# KiCad board APA102_Matrix.kicad_pcb (continued)
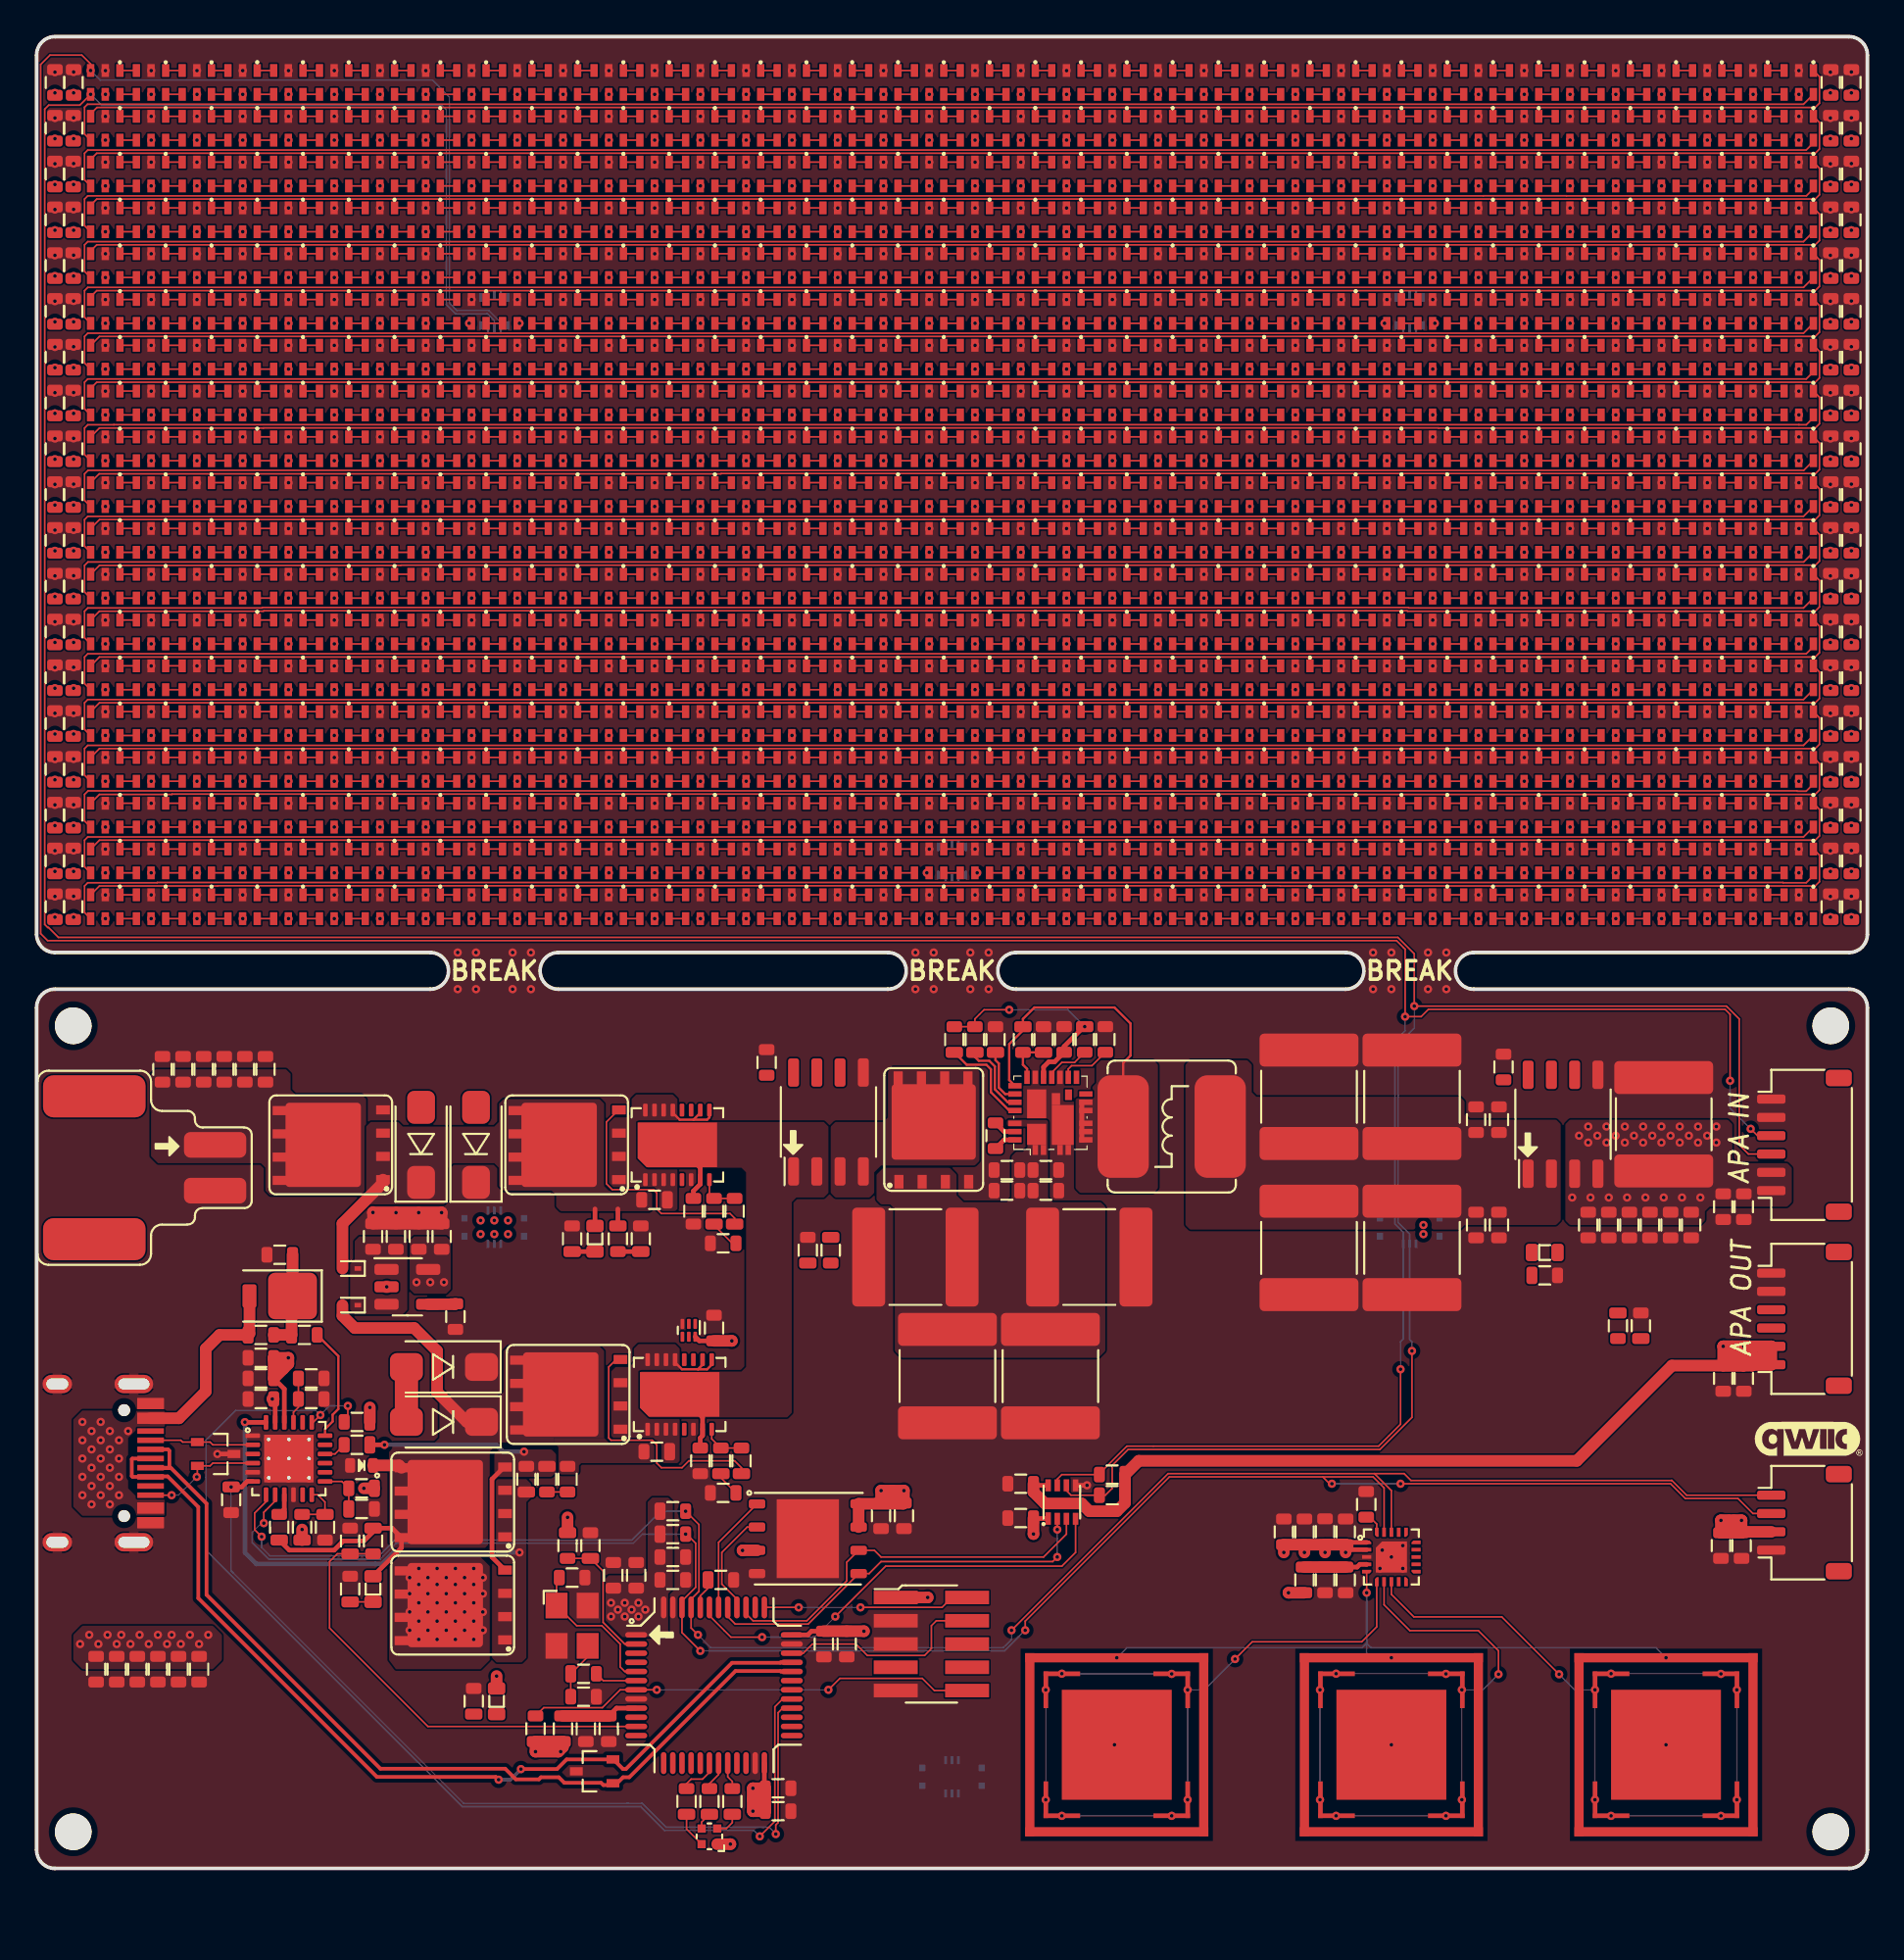
[diagram p0: board, top side]
## Nets (continued)
Net-(D524-Pad1): D524.1 D525.3
Net-(D524-Pad6): D524.6 D525.4
Net-(D525-Pad1): D525.1 D526.3
Net-(D525-Pad6): D525.6 D526.4
Net-(D526-Pad1): D526.1 D527.3
Net-(D526-Pad6): D526.6 D527.4
Net-(D527-Pad1): D527.1 D528.3
Net-(D527-Pad6): D527.6 D528.4
Net-(D528-Pad1): D528.1 D529.3
Net-(D528-Pad6): D528.6 D529.4
Net-(D529-Pad1): D529.1 D530.3
Net-(D529-Pad6): D529.6 D530.4
Net-(D530-Pad1): D530.1 D531.3
Net-(D530-Pad6): D530.6 D531.4
Net-(D531-Pad1): D531.1 D532.3
Net-(D531-Pad6): D531.6 D532.4
Net-(D533-Pad1): D533.1 D534.3
Net-(D533-Pad6): D533.6 D534.4
Net-(D534-Pad1): D534.1 D535.3
Net-(D534-Pad6): D534.6 D535.4
Net-(D535-Pad1): D535.1 D536.3
Net-(D535-Pad6): D535.6 D536.4
Net-(D536-Pad1): D536.1 D537.3
Net-(D536-Pad6): D536.6 D537.4
Net-(D537-Pad1): D537.1 D538.3
Net-(D537-Pad6): D537.6 D538.4
Net-(D538-Pad1): D538.1 D539.3
Net-(D538-Pad6): D538.6 D539.4
Net-(D539-Pad1): D539.1 D540.3
Net-(D539-Pad6): D539.6 D540.4
Net-(D540-Pad1): D540.1 D541.3
Net-(D540-Pad6): D540.6 D541.4
Net-(D541-Pad1): D541.1 D542.3
Net-(D541-Pad6): D541.6 D542.4
Net-(D542-Pad1): D542.1 D543.3
Net-(D542-Pad6): D542.6 D543.4
Net-(D543-Pad1): D543.1 D544.3
Net-(D543-Pad6): D543.6 D544.4
Net-(D544-Pad1): D544.1 D545.3
Net-(D544-Pad6): D544.6 D545.4
Net-(D545-Pad1): D545.1 D546.3
Net-(D545-Pad6): D545.6 D546.4
Net-(D546-Pad1): D546.1 D547.3
Net-(D546-Pad6): D546.6 D547.4
Net-(D547-Pad1): D547.1 D548.3
Net-(D547-Pad6): D547.6 D548.4
Net-(D548-Pad1): D548.1 D549.3
Net-(D548-Pad6): D548.6 D549.4
Net-(D549-Pad1): D549.1 D550.3
Net-(D549-Pad6): D549.6 D550.4
Net-(D550-Pad1): D550.1 D551.3
Net-(D550-Pad6): D550.6 D551.4
Net-(D551-Pad1): D551.1 D552.3
Net-(D551-Pad6): D551.6 D552.4
Net-(D552-Pad1): D552.1 D553.3
Net-(D552-Pad6): D552.6 D553.4
Net-(D553-Pad1): D553.1 D554.3
Net-(D553-Pad6): D553.6 D554.4
Net-(D554-Pad1): D554.1 D555.3
Net-(D554-Pad6): D554.6 D555.4
Net-(D555-Pad1): D555.1 D556.3
Net-(D555-Pad6): D555.6 D556.4
Net-(D556-Pad1): D556.1 D557.3
Net-(D556-Pad6): D556.6 D557.4
Net-(D557-Pad1): D557.1 D558.3
Net-(D557-Pad6): D557.6 D558.4
Net-(D558-Pad1): D558.1 D559.3
Net-(D558-Pad6): D558.6 D559.4
Net-(D559-Pad1): D559.1 D560.3
Net-(D559-Pad6): D559.6 D560.4
Net-(D560-Pad1): D560.1 D561.3
Net-(D560-Pad6): D560.6 D561.4
Net-(D561-Pad1): D561.1 D562.3
Net-(D561-Pad6): D561.6 D562.4
Net-(D562-Pad1): D562.1 D563.3
Net-(D562-Pad6): D562.6 D563.4
Net-(D563-Pad1): D563.1 D564.3
Net-(D563-Pad6): D563.6 D564.4
Net-(D564-Pad1): D564.1 D565.3
Net-(D564-Pad6): D564.6 D565.4
Net-(D565-Pad1): D565.1 D566.3
Net-(D565-Pad6): D565.6 D566.4
Net-(D566-Pad1): D566.1 D567.3
Net-(D566-Pad6): D566.6 D567.4
Net-(D567-Pad1): D567.1 D568.3
Net-(D567-Pad6): D567.6 D568.4
Net-(D568-Pad1): D568.1 D569.3
Net-(D568-Pad6): D568.6 D569.4
Net-(D569-Pad1): D569.1 D570.3
Net-(D569-Pad6): D569.6 D570.4
Net-(D571-Pad1): D571.1 D572.3
Net-(D571-Pad6): D571.6 D572.4
Net-(D572-Pad1): D572.1 D573.3
Net-(D572-Pad6): D572.6 D573.4
Net-(D573-Pad1): D573.1 D574.3
Net-(D573-Pad6): D573.6 D574.4
Net-(D574-Pad1): D574.1 D575.3
Net-(D574-Pad6): D574.6 D575.4
Net-(D575-Pad1): D575.1 D576.3
Net-(D575-Pad6): D575.6 D576.4
Net-(D576-Pad1): D576.1 D577.3
Net-(D576-Pad6): D576.6 D577.4
Net-(D577-Pad1): D577.1 D578.3
Net-(D577-Pad6): D577.6 D578.4
Net-(D578-Pad1): D578.1 D579.3
Net-(D578-Pad6): D578.6 D579.4
Net-(D579-Pad1): D579.1 D580.3
Net-(D579-Pad6): D579.6 D580.4
Net-(D580-Pad1): D580.1 D581.3
Net-(D580-Pad6): D580.6 D581.4
Net-(D581-Pad1): D581.1 D582.3
Net-(D581-Pad6): D581.6 D582.4
Net-(D582-Pad1): D582.1 D583.3
Net-(D582-Pad6): D582.6 D583.4
Net-(D583-Pad1): D583.1 D584.3
Net-(D583-Pad6): D583.6 D584.4
Net-(D584-Pad1): D584.1 D585.3
Net-(D584-Pad6): D584.6 D585.4
Net-(D585-Pad1): D585.1 D586.3
Net-(D585-Pad6): D585.6 D586.4
Net-(D586-Pad1): D586.1 D587.3
Net-(D586-Pad6): D586.6 D587.4
Net-(D587-Pad1): D587.1 D588.3
Net-(D587-Pad6): D587.6 D588.4
Net-(D588-Pad1): D588.1 D589.3
Net-(D588-Pad6): D588.6 D589.4
Net-(D589-Pad1): D589.1 D590.3
Net-(D589-Pad6): D589.6 D590.4
Net-(D590-Pad1): D590.1 D591.3
Net-(D590-Pad6): D590.6 D591.4
Net-(D591-Pad1): D591.1 D592.3
Net-(D591-Pad6): D591.6 D592.4
Net-(D592-Pad1): D592.1 D593.3
Net-(D592-Pad6): D592.6 D593.4
Net-(D593-Pad1): D593.1 D594.3
Net-(D593-Pad6): D593.6 D594.4
Net-(D594-Pad1): D594.1 D595.3
Net-(D594-Pad6): D594.6 D595.4
Net-(D595-Pad1): D595.1 D596.3
Net-(D595-Pad6): D595.6 D596.4
Net-(D596-Pad1): D596.1 D597.3
Net-(D596-Pad6): D596.6 D597.4
Net-(D597-Pad1): D597.1 D598.3
Net-(D597-Pad6): D597.6 D598.4
Net-(D598-Pad1): D598.1 D599.3
Net-(D598-Pad6): D598.6 D599.4
Net-(D599-Pad1): D599.1 D600.3
Net-(D599-Pad6): D599.6 D600.4
Net-(D600-Pad1): D600.1 D601.3
Net-(D600-Pad6): D600.6 D601.4
Net-(D601-Pad1): D601.1 D602.3
Net-(D601-Pad6): D601.6 D602.4
Net-(D602-Pad1): D602.1 D603.3
Net-(D602-Pad6): D602.6 D603.4
Net-(D603-Pad1): D603.1 D604.3
Net-(D603-Pad6): D603.6 D604.4
Net-(D604-Pad1): D604.1 D605.3
Net-(D604-Pad6): D604.6 D605.4
Net-(D605-Pad1): D605.1 D606.3
Net-(D605-Pad6): D605.6 D606.4
Net-(D606-Pad1): D606.1 D607.3
Net-(D606-Pad6): D606.6 D607.4
Net-(D607-Pad1): D607.1 D608.3
Net-(D607-Pad6): D607.6 D608.4
Net-(D609-Pad1): D609.1 D610.3
Net-(D609-Pad6): D609.6 D610.4
Net-(D610-Pad1): D610.1 D611.3
Net-(D610-Pad6): D610.6 D611.4
Net-(D611-Pad1): D611.1 D612.3
Net-(D611-Pad6): D611.6 D612.4
Net-(D612-Pad1): D612.1 D613.3
Net-(D612-Pad6): D612.6 D613.4
Net-(D613-Pad1): D613.1 D614.3
Net-(D613-Pad6): D613.6 D614.4
Net-(D614-Pad1): D614.1 D615.3
Net-(D614-Pad6): D614.6 D615.4
Net-(D615-Pad1): D615.1 D616.3
Net-(D615-Pad6): D615.6 D616.4
Net-(D616-Pad1): D616.1 D617.3
Net-(D616-Pad6): D616.6 D617.4
Net-(D617-Pad1): D617.1 D618.3
Net-(D617-Pad6): D617.6 D618.4
Net-(D618-Pad1): D618.1 D619.3
Net-(D618-Pad6): D618.6 D619.4
Net-(D619-Pad1): D619.1 D620.3
Net-(D619-Pad6): D619.6 D620.4
Net-(D620-Pad1): D620.1 D621.3
Net-(D620-Pad6): D620.6 D621.4
Net-(D621-Pad1): D621.1 D622.3
Net-(D621-Pad6): D621.6 D622.4
Net-(D622-Pad1): D622.1 D623.3
Net-(D622-Pad6): D622.6 D623.4
Net-(D623-Pad1): D623.1 D624.3
Net-(D623-Pad6): D623.6 D624.4
Net-(D624-Pad1): D624.1 D625.3
Net-(D624-Pad6): D624.6 D625.4
Net-(D625-Pad1): D625.1 D626.3
Net-(D625-Pad6): D625.6 D626.4
Net-(D626-Pad1): D626.1 D627.3
Net-(D626-Pad6): D626.6 D627.4
Net-(D627-Pad1): D627.1 D628.3
Net-(D627-Pad6): D627.6 D628.4
Net-(D628-Pad1): D628.1 D629.3
Net-(D628-Pad6): D628.6 D629.4
Net-(D629-Pad1): D629.1 D630.3
Net-(D629-Pad6): D629.6 D630.4
Net-(D630-Pad1): D630.1 D631.3
Net-(D630-Pad6): D630.6 D631.4
Net-(D631-Pad1): D631.1 D632.3
Net-(D631-Pad6): D631.6 D632.4
Net-(D632-Pad1): D632.1 D633.3
Net-(D632-Pad6): D632.6 D633.4
Net-(D633-Pad1): D633.1 D634.3
Net-(D633-Pad6): D633.6 D634.4
Net-(D634-Pad1): D634.1 D635.3
Net-(D634-Pad6): D634.6 D635.4
Net-(D635-Pad1): D635.1 D636.3
Net-(D635-Pad6): D635.6 D636.4
Net-(D636-Pad1): D636.1 D637.3
Net-(D636-Pad6): D636.6 D637.4
Net-(D637-Pad1): D637.1 D638.3
Net-(D637-Pad6): D637.6 D638.4
Net-(D638-Pad1): D638.1 D639.3
Net-(D638-Pad6): D638.6 D639.4
Net-(D639-Pad1): D639.1 D640.3
Net-(D639-Pad6): D639.6 D640.4
Net-(D640-Pad1): D640.1 D641.3
Net-(D640-Pad6): D640.6 D641.4
Net-(D641-Pad1): D641.1 D642.3
Net-(D641-Pad6): D641.6 D642.4
Net-(D642-Pad1): D642.1 D643.3
Net-(D642-Pad6): D642.6 D643.4
Net-(D643-Pad1): D643.1 D644.3
Net-(D643-Pad6): D643.6 D644.4
Net-(D644-Pad1): D644.1 D645.3
Net-(D644-Pad6): D644.6 D645.4
Net-(D645-Pad1): D645.1 D646.3
Net-(D645-Pad6): D645.6 D646.4
Net-(D647-Pad1): D647.1 D648.3
Net-(D647-Pad6): D647.6 D648.4
Net-(D648-Pad1): D648.1 D649.3
Net-(D648-Pad6): D648.6 D649.4
Net-(D649-Pad1): D649.1 D650.3
Net-(D649-Pad6): D649.6 D650.4
Net-(D650-Pad1): D650.1 D651.3
Net-(D650-Pad6): D650.6 D651.4
Net-(D651-Pad1): D651.1 D652.3
Net-(D651-Pad6): D651.6 D652.4
Net-(D652-Pad1): D652.1 D653.3
Net-(D652-Pad6): D652.6 D653.4
Net-(D653-Pad1): D653.1 D654.3
Net-(D653-Pad6): D653.6 D654.4
Net-(D654-Pad1): D654.1 D655.3
Net-(D654-Pad6): D654.6 D655.4
Net-(D655-Pad1): D655.1 D656.3
Net-(D655-Pad6): D655.6 D656.4
Net-(D656-Pad1): D656.1 D657.3
Net-(D656-Pad6): D656.6 D657.4
Net-(D657-Pad1): D657.1 D658.3
Net-(D657-Pad6): D657.6 D658.4
Net-(D658-Pad1): D658.1 D659.3
Net-(D658-Pad6): D658.6 D659.4
Net-(D659-Pad1): D659.1 D660.3
Net-(D659-Pad6): D659.6 D660.4
Net-(D660-Pad1): D660.1 D661.3
Net-(D660-Pad6): D660.6 D661.4
Net-(D661-Pad1): D661.1 D662.3
Net-(D661-Pad6): D661.6 D662.4
Net-(D662-Pad1): D662.1 D663.3
Net-(D662-Pad6): D662.6 D663.4
Net-(D663-Pad1): D663.1 D664.3
Net-(D663-Pad6): D663.6 D664.4
Net-(D664-Pad1): D664.1 D665.3
Net-(D664-Pad6): D664.6 D665.4
Net-(D665-Pad1): D665.1 D666.3
Net-(D665-Pad6): D665.6 D666.4
Net-(D666-Pad1): D666.1 D667.3
Net-(D666-Pad6): D666.6 D667.4
Net-(D667-Pad1): D667.1 D668.3
Net-(D667-Pad6): D667.6 D668.4
Net-(D668-Pad1): D668.1 D669.3
Net-(D668-Pad6): D668.6 D669.4
Net-(D669-Pad1): D669.1 D670.3
Net-(D669-Pad6): D669.6 D670.4
Net-(D670-Pad1): D670.1 D671.3
Net-(D670-Pad6): D670.6 D671.4
Net-(D671-Pad1): D671.1 D672.3
Net-(D671-Pad6): D671.6 D672.4
Net-(D672-Pad1): D672.1 D673.3
Net-(D672-Pad6): D672.6 D673.4
Net-(D673-Pad1): D673.1 D674.3
Net-(D673-Pad6): D673.6 D674.4
Net-(D674-Pad1): D674.1 D675.3
Net-(D674-Pad6): D674.6 D675.4
Net-(D675-Pad1): D675.1 D676.3
Net-(D675-Pad6): D675.6 D676.4
Net-(D676-Pad1): D676.1 D677.3
Net-(D676-Pad6): D676.6 D677.4
Net-(D677-Pad1): D677.1 D678.3
Net-(D677-Pad6): D677.6 D678.4
Net-(D678-Pad1): D678.1 D679.3
Net-(D678-Pad6): D678.6 D679.4
Net-(D679-Pad1): D679.1 D680.3
Net-(D679-Pad6): D679.6 D680.4
Net-(D680-Pad1): D680.1 D681.3
Net-(D680-Pad6): D680.6 D681.4
Net-(D681-Pad1): D681.1 D682.3
Net-(D681-Pad6): D681.6 D682.4
Net-(D682-Pad1): D682.1 D683.3
Net-(D682-Pad6): D682.6 D683.4
Net-(D683-Pad1): D683.1 D684.3
Net-(D683-Pad6): D683.6 D684.4
Net-(D685-Pad1): D685.1 D686.3
Net-(D685-Pad6): D685.6 D686.4
Net-(D686-Pad1): D686.1 D687.3
Net-(D686-Pad6): D686.6 D687.4
Net-(D687-Pad1): D687.1 D688.3
Net-(D687-Pad6): D687.6 D688.4
Net-(D688-Pad1): D688.1 D689.3
Net-(D688-Pad6): D688.6 D689.4
Net-(D689-Pad1): D689.1 D690.3
Net-(D689-Pad6): D689.6 D690.4
Net-(D690-Pad1): D690.1 D691.3
Net-(D690-Pad6): D690.6 D691.4
Net-(D691-Pad1): D691.1 D692.3
Net-(D691-Pad6): D691.6 D692.4
Net-(D692-Pad1): D692.1 D693.3
Net-(D692-Pad6): D692.6 D693.4
Net-(D693-Pad1): D693.1 D694.3
Net-(D693-Pad6): D693.6 D694.4
Net-(D694-Pad1): D694.1 D695.3
Net-(D694-Pad6): D694.6 D695.4
Net-(D695-Pad1): D695.1 D696.3
Net-(D695-Pad6): D695.6 D696.4
Net-(D696-Pad1): D696.1 D697.3
Net-(D696-Pad6): D696.6 D697.4
Net-(D697-Pad1): D697.1 D698.3
Net-(D697-Pad6): D697.6 D698.4
Net-(D698-Pad1): D698.1 D699.3
Net-(D698-Pad6): D698.6 D699.4
Net-(D699-Pad1): D699.1 D700.3
Net-(D699-Pad6): D699.6 D700.4
Net-(D700-Pad1): D700.1 D701.3
Net-(D700-Pad6): D700.6 D701.4
Net-(D701-Pad1): D701.1 D702.3
Net-(D701-Pad6): D701.6 D702.4
Net-(D702-Pad1): D702.1 D703.3
Net-(D702-Pad6): D702.6 D703.4
Net-(D703-Pad1): D703.1 D704.3
Net-(D703-Pad6): D703.6 D704.4
Net-(D704-Pad1): D704.1 D705.3
Net-(D704-Pad6): D704.6 D705.4
Net-(D705-Pad1): D705.1 D706.3
Net-(D705-Pad6): D705.6 D706.4
Net-(D706-Pad1): D706.1 D707.3
Net-(D706-Pad6): D706.6 D707.4
Net-(D707-Pad1): D707.1 D708.3
Net-(D707-Pad6): D707.6 D708.4
Net-(D708-Pad1): D708.1 D709.3
Net-(D708-Pad6): D708.6 D709.4
Net-(D709-Pad1): D709.1 D710.3
Net-(D709-Pad6): D709.6 D710.4
Net-(D710-Pad1): D710.1 D711.3
Net-(D710-Pad6): D710.6 D711.4
Net-(D711-Pad1): D711.1 D712.3
Net-(D711-Pad6): D711.6 D712.4
Net-(D712-Pad1): D712.1 D713.3
Net-(D712-Pad6): D712.6 D713.4
Net-(D713-Pad1): D713.1 D714.3
Net-(D713-Pad6): D713.6 D714.4
Net-(D714-Pad1): D714.1 D715.3
Net-(D714-Pad6): D714.6 D715.4
Net-(D715-Pad1): D715.1 D716.3
Net-(D715-Pad6): D715.6 D716.4
Net-(D716-Pad1): D716.1 D717.3
Net-(D716-Pad6): D716.6 D717.4
Net-(D717-Pad1): D717.1 D718.3
Net-(D717-Pad6): D717.6 D718.4
Net-(D718-Pad1): D718.1 D719.3
Net-(D718-Pad6): D718.6 D719.4
Net-(D719-Pad1): D719.1 D720.3
Net-(D719-Pad6): D719.6 D720.4
Net-(D720-Pad1): D720.1 D721.3
Net-(D720-Pad6): D720.6 D721.4
Net-(D721-Pad1): D721.1 D722.3
Net-(D721-Pad6): D721.6 D722.4
Net-(D723-Pad1): D723.1 R7.1
Net-(D724-Pad1): D724.1 R9.1
Net-(D725-Pad1): D725.1 R10.1
Net-(D728-Pad1): D728.1 R15.1
Net-(D729-Pad2): D729.2 R16.1
Net-(D729-Pad3): D729.3 R17.1
Net-(D729-Pad4): D729.4 R18.1
Net-(D734-Pad2): D734.2 D735.2
Net-(D736-Pad2): D736.2 D737.2
Net-(Q3-Pad4): Q3.4 Q4.4 R34.2 R36.1 R37.1
Net-(Q5-Pad1): Q5.1 Q5.2 Q5.3 R6.1 U11.1 U11.2 U11.3 U11.4 U11.9 U11.10 U11.13 U11.14 U11.15 U11.16
Net-(Q5-Pad4): Q5.4 R45.1
Net-(Q6-Pad1): Q6.1 Q6.2 Q6.3 R44.1 U12.1 U12.2 U12.3 U12.4 U12.9 U12.10 U12.13 U12.14 U12.15 U12.16
Net-(Q6-Pad4): Q6.4 R47.1
Net-(R16-Pad2): R16.2 U7.18
Net-(R17-Pad2): R17.2 U7.19
Net-(R18-Pad2): R18.2 U7.20
Net-(R24-Pad2): R24.2 U7.6
Net-(R28-Pad2): R28.2 R29.1 U8.17
Net-(R30-Pad1): R30.1 U8.20
Net-(R31-Pad1): R31.1 U8.21
Net-(R35-Pad2): R35.2 U10.18
Net-(R40-Pad2): R40.2 R41.1 U10.12
Net-(R42-Pad2): R42.2 R43.1 U10.13
Net-(R45-Pad2): R45.2 R46.2 U11.8
Net-(R47-Pad2): R47.2 R48.2 U12.8
Net-(U11-Pad12): U2.4 U11.12

Pads without a net: CN1 X; CN2 X; CN3 X; CN10 X; J1 6 7 8; P1 A8 B8; U1 6; U2 1 5; U3 6; U7 3 4 16 17 38; U8 10 11 28; U9 9 10 11 12 13 14 15 16; U10 3 11 14 15 17 20; U11 5 11; U12 5 11

## Via types
v1: diameter 0.45, hole 0.2, F_PWR_SIGNAL.Cu to B_GND_SIGNAL.Cu, 1868 vias

## Routing (per net, layer and track width the routed paths; a pad name or vN(x,y) marks a point on that pad's centre or on a via; arc(x,y) is an arc through that point)
+3V3: length 58.2
  F_PWR_SIGNAL.Cu w0.254: U9.1 71.62,17.8 C126.1 71.78,17.4 U9.2 ; U7.24 39.75,4.42 C97.1 ; C87.2 54.47,19.1 U5.1 ; U2.6 36.2,28.8 C137.1 ; C99.1 42.33,12.95 42.12,12.75 U7.36 ; C134.1 13.53,26.17 U10.22
  F_PWR_SIGNAL.Cu w0.635: v1(37.98,28.8) 37.97,28.8 C137.1 ; v1(54.45,18.25) 54.45,18.26 C87.2 ; v1(70.38,17.25) C125.1 71.49,17.69 C126.1 ; C89.2 93.17,18.38 CN3.2 ; C89.2 v1(93.12,19) ; C89.2 92.45,19 v1(92,19) ; C89.2 C154.1 ; v1(48.67,14.79) 48.67,14.79 J1.1 ; C99.1 C98.1 45.19,12.95 v1(45.19,12.95) ; C123.1 v1(69.25,17.25) ; 13.48,27.28 C134.1 C131.1 ; 13.48,27.28 12.95,27.8 C131.1 ; 13.48,27.28 13.75,27.55 v1(13.75,27.88) C131.1 ; FB2.2 68.38,15.05 v1(68.38,15.05) ; v1(39.12,3.12) 39.12,3.7 C97.1 ; v1(39.12,3.12) v1(39.12,4.38) ; v1(39.12,3.12) C96.1 ; C126.1 C124.1 v1(68.12,17.25) ; C126.1 v1(71.5,17.25) ; 29,19.16 29,18.38 ; C90.1 47.33,19.91 U6.8 U6.7 ; C90.1 v1(47.38,20.62) 46.8,20.62 C91.1 v1(46.12,20.62) 46.7,20.62 C90.1 ; v1(39.12,4.38) C97.1 ; v1(39.12,4.38) 39.12,3.8 C96.1 ; C97.1 C96.1 ; C154.1 92.67,19 v1(93.12,19) ; C154.1 v1(92,19) ; v1(92,19) v1(93.12,19) ; v1(37.89,1.33) 37.89,1.33 D729.1 ; D725.2 v1(25.12,10.5) ; v1(38.56,17.36) 38.56,17.36 U6.3 ; 18.2,25.16 R38.1 ; 28.75,6.63 FB1.2 R23.1 v1(27.25,6.38) 28.5,6.38 28.75,6.63
  vias: v1(18.2,25.17) v1(20.75,32) v1(21.5,32) v1(22.25,32) v1(28.62,6.38) v1(29,19.17) v1(31.38,14.5) v1(31.38,13.75) v1(31.75,14.12) v1(32.12,14.5) v1(32.12,13.75) v1(32.5,14.12) v1(32.88,14.5) v1(32.88,13.75) v1(33.25,14.12)
+5V: length 61.5
  F_PWR_SIGNAL.Cu w0.089: v1(3.76,96.85) D1.5
  F_PWR_SIGNAL.Cu w0.254: U5.8 54.54,20.91 C88.2
  F_PWR_SIGNAL.Cu w0.635: C88.2 54.45,20.55 55.08,19.92 57.08,19.92 57.5,19.5 59,19.5 59.45,19.95 R12.1 R13.1 60.2,22.25 84.12,22.25 89.33,27.45 C85.1 ; C85.1 93.2,27.45 93.75,28 ; C85.1 93.7,27.45 CN2.2 ; C85.1 v1(92.12,28.5) ; CN2.1 93.3,27.5 C84.1 ; CN2.1 CN2.2 ; CN2.1 93.12,27.5 v1(92.12,28.5) ; CN2.2 93.5,28.5 ; v1(92.12,28.5) 92.62,28.5 ; v1(92.12,28.5) 93.5,28.5 ; 93.5,28.5 v1(93.25,28.5) ; v1(93.25,28.5) 92.62,28.5 ; v1(93.25,28.5) C84.1 ; 92.62,28.5 93.25,27.88 C84.1
  vias: v1(1,96.93) v1(1,94.43) v1(1,91.93) v1(1,89.43) v1(1,86.93) v1(1,84.43) v1(1,81.93) v1(1,79.43) v1(1,76.93) v1(1,74.43) v1(1,71.93) v1(1,69.43) v1(1,66.93) v1(1,64.43) v1(1,61.93) v1(1,59.43) v1(1,56.93) v1(1,54.43) v1(1,51.93) v1(2.02,96.93) v1(2.02,94.43) v1(2.02,91.93) v1(2.02,89.43) v1(2.02,86.93) v1(2.02,84.43) v1(2.02,81.93) v1(2.02,79.43) v1(2.02,76.93) v1(2.02,74.43) v1(2.02,71.93) v1(2.02,69.43) v1(2.02,66.93) v1(2.02,64.43) v1(2.02,61.93) v1(2.02,59.43) v1(2.02,56.93) v1(2.02,54.43) v1(2.02,51.93) v1(3.76,94.35) v1(3.76,91.85) v1(3.76,89.35) v1(3.76,86.85) v1(3.76,84.35) v1(3.76,81.85) v1(3.76,79.35) v1(3.76,76.85) v1(3.76,74.35) v1(3.76,71.85) v1(3.76,69.35) v1(3.76,66.85) v1(3.76,64.35) v1(3.76,61.85) v1(3.76,59.35) v1(3.76,56.85) v1(3.76,54.35) v1(3.76,51.85) v1(6.26,96.85) v1(6.26,94.35) v1(6.26,91.85) v1(6.26,89.35) v1(6.26,86.85) v1(6.26,84.35) v1(6.26,81.85) v1(6.26,79.35) v1(6.26,76.85) v1(6.26,74.35) v1(6.26,71.85) v1(6.26,69.35) v1(6.26,66.85) v1(6.26,64.35) v1(6.26,61.85) v1(6.26,59.35) v1(6.26,56.85) v1(6.26,54.35) v1(6.26,51.85) v1(8.76,96.85) v1(8.76,94.35) v1(8.76,91.85) v1(8.76,89.35) v1(8.76,86.85) v1(8.76,84.35) v1(8.76,81.85) v1(8.76,79.35) v1(8.76,76.85) v1(8.76,74.35) v1(8.76,71.85) v1(8.76,69.35) v1(8.76,66.85) v1(8.76,64.35) v1(8.76,61.85) v1(8.76,59.35) v1(8.76,56.85) v1(8.76,54.35) v1(8.76,51.85) v1(11.26,96.85) v1(11.26,94.35) v1(11.26,91.85) v1(11.26,89.35) v1(11.26,86.85) v1(11.26,84.35) v1(11.26,81.85) v1(11.26,79.35) v1(11.26,76.85) v1(11.26,74.35) v1(11.26,71.85) v1(11.26,69.35) v1(11.26,66.85) v1(11.26,64.35) v1(11.26,61.85) v1(11.26,59.35) v1(11.26,56.85) v1(11.26,54.35) v1(11.26,51.85) v1(13.76,96.85) v1(13.76,94.35) v1(13.76,91.85) v1(13.76,89.35) v1(13.76,86.85) v1(13.76,84.35) v1(13.76,81.85) v1(13.76,79.35) v1(13.76,76.85) v1(13.76,74.35) v1(13.76,71.85) v1(13.76,69.35) v1(13.76,66.85) v1(13.76,64.35) v1(13.76,61.85) v1(13.76,59.35) v1(13.76,56.85) v1(13.76,54.35) v1(13.76,51.85) v1(16.26,96.85) v1(16.26,94.35) v1(16.26,91.85) v1(16.26,89.35) v1(16.26,86.85) v1(16.26,84.35) v1(16.26,81.85) v1(16.26,79.35) v1(16.26,76.85) v1(16.26,74.35) v1(16.26,71.85) v1(16.26,69.35) v1(16.26,66.85) v1(16.26,64.35) v1(16.26,61.85) v1(16.26,59.35) v1(16.26,56.85) v1(16.26,54.35) v1(16.26,51.85) v1(18.76,96.85) v1(18.76,94.35) v1(18.76,91.85) v1(18.76,89.35) v1(18.76,86.85) v1(18.76,84.35) v1(18.76,81.85) v1(18.76,79.35) v1(18.76,76.85) v1(18.76,74.35) v1(18.76,71.85) v1(18.76,69.35) v1(18.76,66.85) v1(18.76,64.35) v1(18.76,61.85) v1(18.76,59.35) v1(18.76,56.85) v1(18.76,54.35) v1(18.76,51.85) v1(21.26,96.85) v1(21.26,94.35) v1(21.26,91.85) v1(21.26,89.35) v1(21.26,86.85) v1(21.26,84.35) v1(21.26,81.85) v1(21.26,79.35) v1(21.26,76.85) v1(21.26,74.35) v1(21.26,71.85) v1(21.26,69.35) v1(21.26,66.85) v1(21.26,64.35) v1(21.26,61.85) v1(21.26,59.35) v1(21.26,56.85) v1(21.26,54.35) v1(21.26,51.85) v1(23.62,84.35) v1(23.76,96.85) v1(23.76,94.35) v1(23.76,91.85) v1(23.76,89.35) v1(23.76,86.85) v1(23.76,81.85) v1(23.76,79.35) v1(23.76,76.85) v1(23.76,74.35) v1(23.76,71.85) v1(23.76,69.35) v1(23.76,66.85) v1(23.76,64.35) v1(23.76,61.85) v1(23.76,59.35) v1(23.76,56.85) v1(23.76,54.35) v1(23.76,51.85) v1(24.25,35.38) v1(24.25,34.62) v1(25,35.38) v1(25,34.62) v1(25.75,35.38) v1(25.75,34.62) v1(26.26,96.85) v1(26.26,94.35) v1(26.26,91.85) v1(26.26,89.35) v1(26.26,86.85) v1(26.26,81.85) v1(26.26,79.35) v1(26.26,76.85) v1(26.26,74.35) v1(26.26,71.85) v1(26.26,69.35) v1(26.26,66.85) v1(26.26,64.35) v1(26.26,61.85) v1(26.26,59.35) v1(26.26,56.85) v1(26.26,54.35) v1(26.26,51.85) v1(26.38,84.35) v1(28.76,96.85) v1(28.76,94.35) v1(28.76,91.85) v1(28.76,89.35) v1(28.76,86.85) v1(28.76,84.35) v1(28.76,81.85) v1(28.76,79.35) v1(28.76,76.85) v1(28.76,74.35) v1(28.76,71.85) v1(28.76,69.35) v1(28.76,66.85) v1(28.76,64.35) v1(28.76,61.85) v1(28.76,59.35) v1(28.76,56.85) v1(28.76,54.35) v1(28.76,51.85) v1(31.26,96.85) v1(31.26,94.35) v1(31.26,91.85) v1(31.26,89.35) v1(31.26,86.85) v1(31.26,84.35) v1(31.26,81.85) v1(31.26,79.35) v1(31.26,76.85) v1(31.26,74.35) v1(31.26,71.85) v1(31.26,69.35) v1(31.26,66.85) v1(31.26,64.35) v1(31.26,61.85) v1(31.26,59.35) v1(31.26,56.85) v1(31.26,54.35) v1(31.26,51.85) v1(33.76,96.85) v1(33.76,94.35) v1(33.76,91.85) v1(33.76,89.35) v1(33.76,86.85) v1(33.76,84.35) v1(33.76,81.85) v1(33.76,79.35) v1(33.76,76.85) v1(33.76,74.35) v1(33.76,71.85) v1(33.76,69.35) v1(33.76,66.85) v1(33.76,64.35) v1(33.76,61.85) v1(33.76,59.35) v1(33.76,56.85) v1(33.76,54.35) v1(33.76,51.85) v1(36.26,96.85) v1(36.26,94.35) v1(36.26,91.85) v1(36.26,89.35) v1(36.26,86.85) v1(36.26,84.35) v1(36.26,81.85) v1(36.26,79.35) v1(36.26,76.85) v1(36.26,74.35) v1(36.26,71.85) v1(36.26,69.35) v1(36.26,66.85) v1(36.26,64.35) v1(36.26,61.85) v1(36.26,59.35) v1(36.26,56.85) v1(36.26,54.35) v1(36.26,51.85) v1(38.76,96.85) v1(38.76,94.35) v1(38.76,91.85) v1(38.76,89.35) v1(38.76,86.85) v1(38.76,84.35) v1(38.76,81.85) v1(38.76,79.35) v1(38.76,76.85) v1(38.76,74.35) v1(38.76,71.85) v1(38.76,69.35) v1(38.76,66.85) v1(38.76,64.35) v1(38.76,61.85) v1(38.76,59.35) v1(38.76,56.85) v1(38.76,54.35) v1(38.76,51.85) v1(41.26,96.85) v1(41.26,94.35) v1(41.26,91.85) v1(41.26,89.35) v1(41.26,86.85) v1(41.26,84.35) v1(41.26,81.85) v1(41.26,79.35) v1(41.26,76.85) v1(41.26,74.35) v1(41.26,71.85) v1(41.26,69.35) v1(41.26,66.85) v1(41.26,64.35) v1(41.26,61.85) v1(41.26,59.35) v1(41.26,56.85) v1(41.26,54.35) v1(41.26,51.85) v1(43.76,96.85) v1(43.76,94.35) v1(43.76,91.85) v1(43.76,89.35) v1(43.76,86.85) v1(43.76,84.35) v1(43.76,81.85) v1(43.76,79.35) v1(43.76,76.85) v1(43.76,74.35) v1(43.76,71.85) v1(43.76,69.35) v1(43.76,66.85) v1(43.76,64.35) v1(43.76,61.85) v1(43.76,59.35) v1(43.76,56.85) v1(43.76,54.35) v1(43.76,51.85) v1(46.26,96.85) v1(46.26,94.35) v1(46.26,91.85) v1(46.26,89.35) v1(46.26,86.85) v1(46.26,84.35) v1(46.26,81.85) v1(46.26,79.35) v1(46.26,76.85) v1(46.26,74.35) v1(46.26,71.85) v1(46.26,69.35) v1(46.26,66.85) v1(46.26,64.35) v1(46.26,61.85) v1(46.26,59.35) v1(46.26,56.85) v1(46.26,54.35) v1(46.26,51.85) v1(48.62,54.35) v1(48.76,96.85) v1(48.76,94.35) v1(48.76,91.85) v1(48.76,89.35) v1(48.76,86.85) v1(48.76,84.35) v1(48.76,81.85) v1(48.76,79.35) v1(48.76,76.85) v1(48.76,74.35) v1(48.76,71.85) v1(48.76,69.35) v1(48.76,66.85) v1(48.76,64.35) v1(48.76,61.85) v1(48.76,59.35) v1(48.76,56.85) v1(48.76,51.85) v1(51.26,96.85) v1(51.26,94.35) v1(51.26,91.85) v1(51.26,89.35) v1(51.26,86.85) v1(51.26,84.35) v1(51.26,81.85) v1(51.26,79.35) v1(51.26,76.85) v1(51.26,74.35) v1(51.26,71.85) v1(51.26,69.35) v1(51.26,66.85) v1(51.26,64.35) v1(51.26,61.85) v1(51.26,59.35) v1(51.26,56.85) v1(51.26,51.85) v1(51.38,54.35) v1(53.76,96.85) v1(53.76,94.35) v1(53.76,91.85) v1(53.76,89.35) v1(53.76,86.85) v1(53.76,84.35) v1(53.76,81.85) v1(53.76,79.35) v1(53.76,76.85) v1(53.76,74.35) v1(53.76,71.85) v1(53.76,69.35) v1(53.76,66.85) v1(53.76,64.35) v1(53.76,61.85) v1(53.76,59.35) v1(53.76,56.85) v1(53.76,54.35) v1(53.76,51.85) v1(56.26,96.85) v1(56.26,94.35) v1(56.26,91.85) v1(56.26,89.35) v1(56.26,86.85) v1(56.26,84.35) v1(56.26,81.85) v1(56.26,79.35) v1(56.26,76.85) v1(56.26,74.35) v1(56.26,71.85) v1(56.26,69.35) v1(56.26,66.85) v1(56.26,64.35) v1(56.26,61.85) v1(56.26,59.35) v1(56.26,56.85) v1(56.26,54.35) v1(56.26,51.85) v1(58.76,96.85) v1(58.76,94.35) v1(58.76,91.85) v1(58.76,89.35) v1(58.76,86.85) v1(58.76,84.35) v1(58.76,81.85) v1(58.76,79.35) v1(58.76,76.85) v1(58.76,74.35) v1(58.76,71.85) v1(58.76,69.35) v1(58.76,66.85) v1(58.76,64.35) v1(58.76,61.85) v1(58.76,59.35) v1(58.76,56.85) v1(58.76,54.35) v1(58.76,51.85) v1(61.26,96.85) v1(61.26,94.35) v1(61.26,91.85) v1(61.26,89.35) v1(61.26,86.85) v1(61.26,84.35) v1(61.26,81.85) v1(61.26,79.35) v1(61.26,76.85) v1(61.26,74.35) v1(61.26,71.85) v1(61.26,69.35) v1(61.26,66.85) v1(61.26,64.35) v1(61.26,61.85) v1(61.26,59.35) v1(61.26,56.85) v1(61.26,54.35) v1(61.26,51.85) v1(63.76,96.85) v1(63.76,94.35) v1(63.76,91.85) v1(63.76,89.35) v1(63.76,86.85) v1(63.76,84.35) v1(63.76,81.85) v1(63.76,79.35) v1(63.76,76.85) v1(63.76,74.35) v1(63.76,71.85) v1(63.76,69.35) v1(63.76,66.85) v1(63.76,64.35) v1(63.76,61.85) v1(63.76,59.35) v1(63.76,56.85) v1(63.76,54.35) v1(63.76,51.85) v1(66.26,96.85) v1(66.26,94.35) v1(66.26,91.85) v1(66.26,89.35) v1(66.26,86.85) v1(66.26,84.35) v1(66.26,81.85) v1(66.26,79.35) v1(66.26,76.85) v1(66.26,74.35) v1(66.26,71.85) v1(66.26,69.35) v1(66.26,66.85) v1(66.26,64.35) v1(66.26,61.85) v1(66.26,59.35) v1(66.26,56.85) v1(66.26,54.35) v1(66.26,51.85) v1(68.76,96.85) v1(68.76,94.35) v1(68.76,91.85) v1(68.76,89.35) v1(68.76,86.85) v1(68.76,84.35) v1(68.76,81.85) v1(68.76,79.35) v1(68.76,76.85) v1(68.76,74.35) v1(68.76,71.85) v1(68.76,69.35) v1(68.76,66.85) v1(68.76,64.35) v1(68.76,61.85) v1(68.76,59.35) v1(68.76,56.85) v1(68.76,54.35) v1(68.76,51.85) v1(71.26,96.85) v1(71.26,94.35) v1(71.26,91.85) v1(71.26,89.35) v1(71.26,86.85) v1(71.26,84.35) v1(71.26,81.85) v1(71.26,79.35) v1(71.26,76.85) v1(71.26,74.35) v1(71.26,71.85) v1(71.26,69.35) v1(71.26,66.85) v1(71.26,64.35) v1(71.26,61.85) v1(71.26,59.35) v1(71.26,56.85) v1(71.26,54.35) v1(71.26,51.85) v1(73.62,84.35) v1(73.76,96.85) v1(73.76,94.35) v1(73.76,91.85) v1(73.76,89.35) v1(73.76,86.85) v1(73.76,81.85) v1(73.76,79.35) v1(73.76,76.85) v1(73.76,74.35) v1(73.76,71.85) v1(73.76,69.35) v1(73.76,66.85) v1(73.76,64.35) v1(73.76,61.85) v1(73.76,59.35) v1(73.76,56.85) v1(73.76,54.35) v1(73.76,51.85) v1(75.75,35.12) v1(75.75,34.62) v1(76.26,96.85) v1(76.26,94.35) v1(76.26,91.85) v1(76.26,89.35) v1(76.26,86.85) v1(76.26,81.85) v1(76.26,79.35) v1(76.26,76.85) v1(76.26,74.35) v1(76.26,71.85) v1(76.26,69.35) v1(76.26,66.85) v1(76.26,64.35) v1(76.26,61.85) v1(76.26,59.35) v1(76.26,56.85) v1(76.26,54.35) v1(76.26,51.85) v1(76.38,84.35) v1(78.76,96.85) v1(78.76,94.35) v1(78.76,91.85) v1(78.76,89.35) v1(78.76,86.85) v1(78.76,84.35) v1(78.76,81.85) v1(78.76,79.35) v1(78.76,76.85) v1(78.76,74.35) v1(78.76,71.85) v1(78.76,69.35) v1(78.76,66.85) v1(78.76,64.35) v1(78.76,61.85) v1(78.76,59.35) v1(78.76,56.85) v1(78.76,54.35) v1(78.76,51.85) v1(81.26,96.85) v1(81.26,94.35) v1(81.26,91.85) v1(81.26,89.35) v1(81.26,86.85) v1(81.26,84.35) v1(81.26,81.85) v1(81.26,79.35) v1(81.26,76.85) v1(81.26,74.35) v1(81.26,71.85) v1(81.26,69.35) v1(81.26,66.85) v1(81.26,64.35) v1(81.26,61.85) v1(81.26,59.35) v1(81.26,56.85) v1(81.26,54.35) v1(81.26,51.85) v1(83.76,96.85) v1(83.76,94.35) v1(83.76,91.85) v1(83.76,89.35) v1(83.76,86.85) v1(83.76,84.35) v1(83.76,81.85) v1(83.76,79.35) v1(83.76,76.85) v1(83.76,74.35) v1(83.76,71.85) v1(83.76,69.35) v1(83.76,66.85) v1(83.76,64.35) v1(83.76,61.85) v1(83.76,59.35) v1(83.76,56.85) v1(83.76,54.35) v1(83.76,51.85) v1(83.88,36.62) v1(84.25,40) v1(84.75,40.5) v1(84.75,39.62) v1(84.88,36.62) v1(85.25,40) v1(85.75,40.5) v1(85.75,39.62) v1(85.88,36.62) v1(86.25,40) v1(86.26,96.85) v1(86.26,94.35) v1(86.26,91.85) v1(86.26,89.35) v1(86.26,86.85) v1(86.26,84.35) v1(86.26,81.85) v1(86.26,79.35) v1(86.26,76.85) v1(86.26,74.35) v1(86.26,71.85) v1(86.26,69.35) v1(86.26,66.85) v1(86.26,64.35) v1(86.26,61.85) v1(86.26,59.35) v1(86.26,56.85) v1(86.26,54.35) v1(86.26,51.85) v1(86.75,40.5) v1(86.75,39.62) v1(86.88,36.62) v1(87.25,40) v1(87.75,40.5) v1(87.75,39.62) v1(87.88,36.62) v1(88.25,40) v1(88.76,96.85) v1(88.76,94.35) v1(88.76,91.85) v1(88.76,89.35) v1(88.76,86.85) v1(88.76,84.35) v1(88.76,81.85) v1(88.76,79.35) v1(88.76,76.85) v1(88.76,74.35) v1(88.76,71.85) v1(88.76,69.35) v1(88.76,66.85) v1(88.76,64.35) v1(88.76,61.85) v1(88.76,59.35) v1(88.76,56.85) v1(88.76,54.35) v1(88.76,51.85) v1(88.75,40.5) v1(88.75,39.62) v1(88.88,36.62) v1(89.25,40) v1(89.75,40.5) v1(89.75,39.62) v1(89.88,36.62) v1(90.25,40) v1(90.75,40.5) v1(90.75,39.62) v1(90.88,36.62) v1(91.25,40) v1(91.26,96.85) v1(91.26,94.35) v1(91.26,91.85) v1(91.26,89.35) v1(91.26,86.85) v1(91.26,84.35) v1(91.26,81.85) v1(91.26,79.35) v1(91.26,76.85) v1(91.26,74.35) v1(91.26,71.85) v1(91.26,69.35) v1(91.26,66.85) v1(91.26,64.35) v1(91.26,61.85) v1(91.26,59.35) v1(91.26,56.85) v1(91.26,54.35) v1(91.26,51.85) v1(91.75,40.5) v1(91.75,39.62) v1(93.76,96.85) v1(93.76,94.35) v1(93.76,91.85) v1(93.76,89.35) v1(93.76,86.85) v1(93.76,84.35) v1(93.76,81.85) v1(93.76,79.35) v1(93.76,76.85) v1(93.76,74.35) v1(93.76,71.85) v1(93.76,69.35) v1(93.76,66.85) v1(93.76,64.35) v1(93.76,61.85) v1(93.76,59.35) v1(93.76,56.85) v1(93.76,54.35) v1(93.76,51.85) v1(96.26,96.85) v1(96.26,94.35) v1(96.26,91.85) v1(96.26,89.35) v1(96.26,86.85) v1(96.26,84.35) v1(96.26,81.85) v1(96.26,79.35) v1(96.26,76.85) v1(96.26,74.35) v1(96.26,71.85) v1(96.26,69.35) v1(96.26,66.85) v1(96.26,64.35) v1(96.26,61.85) v1(96.26,59.35) v1(96.26,56.85) v1(96.26,54.35) v1(96.26,51.85) v1(97.98,96.93) v1(97.98,94.43) v1(97.98,91.93) v1(97.98,89.43) v1(97.98,86.93) v1(97.98,84.43) v1(97.98,81.93) v1(97.98,79.43) v1(97.98,76.93) v1(97.98,74.43) v1(97.98,71.93) v1(97.98,69.43) v1(97.98,66.93) v1(97.98,64.43) v1(97.98,61.93) v1(97.98,59.43) v1(97.98,56.93) v1(97.98,54.43) v1(97.98,51.93) v1(99.12,96.93) v1(99.12,94.43) v1(99.12,91.93) v1(99.12,89.43) v1(99.12,86.93) v1(99.12,84.43) v1(99.12,81.93) v1(99.12,79.43) v1(99.12,76.93) v1(99.12,74.43) v1(99.12,71.93) v1(99.12,69.43) v1(99.12,66.93) v1(99.12,64.43) v1(99.12,61.93) v1(99.12,59.43) v1(99.12,56.93) v1(99.12,54.43) v1(99.12,51.93)